# KiCad board austin.kicad_pcb (continued)
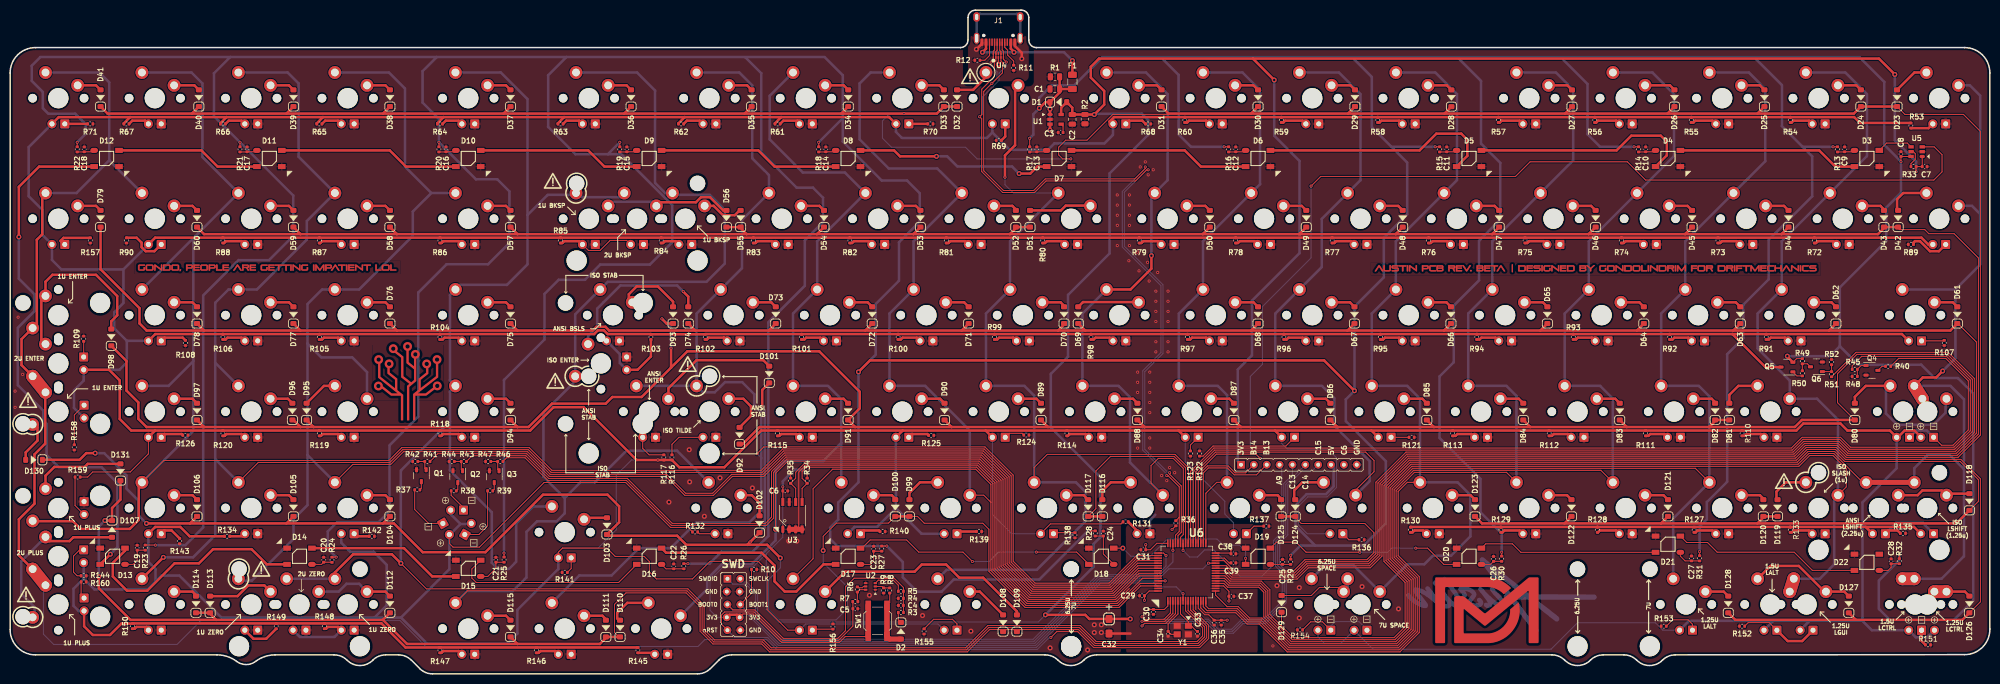
[diagram p0: board, top side]
## Nets (continued)
GND: C1.1 C2.2 C3.1 C4.2 C5.2 C6.1 C7.2 C8.2 C9.1 C10.1 C11.1 C12.1 C13.1 C14.1 C15.1 C16.1 C17.1 C18.1 C19.1 C20.1 C21.1 C22.1 C23.1 C24.1 C25.1 C26.1 C27.1 C28.1 C29.1 C30.2 C31.2 C32.2 C33.2 C34.2 C35.1 C36.1 C37.1 C38.2 C39.1 D3.3 D4.3 D5.3 D6.3 D7.3 D8.3 D9.3 D10.3 D11.3 D12.3 D13.3 D14.3 D15.3 D16.3 D17.3 D18.3 D19.3 D20.3 D21.3 D22.3 J1.A1 J1.B1 J1.S LED7.K LED8.K LED9.K LED10.K LED11.K LED12.K LED13.K LED14.K LED15.K LED16.K LED17.K LED18.K LED19.K LED20.K LED21.K LED24.K LED25.K LED26.K LED27.K LED28.K LED29.K LED30.K LED31.K LED32.K LED33.K LED34.K LED35.K LED36.K LED37.K LED38.K LED39.K LED40.K LED41.K LED45.K LED46.K LED47.K LED48.K LED49.K LED50.K LED51.K LED52.K LED53.K LED54.K LED55.K LED56.K LED57.K LED58.K LED59.K LED60.K LED61.K LED68.K LED69.K LED70.K LED71.K LED72.K LED73.K LED74.K LED75.K LED76.K LED77.K LED78.K LED90.K LED91.K LED92.K LED93.K LED94.K LED95.K LED96.K LED97.K LED108.K LED109.K LED110.K LED111.K LED112.K LED113.K LED114.K LED116.K Q1.2 Q2.2 Q3.2 Q4.2 Q6.2 R1.1 R2.2 R4.2 R9.1 R10.2 R11.1 R12.1 R42.1 R44.1 R47.1 R48.1 R52.1 R68.2 R69.2 R70.2 R71.2 R89.2 R90.2 R107.1 R108.2 R109.2 R121.2 R122.2 R123.2 R124.2 R125.2 R126.2 R135.2 R136.1 R137.2 R138.2 R139.2 R140.2 R141.2 R142.2 R143.1 R144.2 R151.2 R152.2 R153.2 R154.2 R155.2 R156.2 R157.2 R158.2 R160.2 U1.2 U2.1 U2.4 U3.1 U3.2 U3.3 U3.4 U3.7 U4.3 U4.8 U5.2 U6.12 U6.18 U6.31 U6.47 U6.63 X1.3 X1.4 X1.10 X2.10 Y1.2 Y1.4
VBUS: F1.2 J1.A4 J1.B4
BOOT0: C4.1 R3.1 R4.1 R5.2 U6.60 X1.5
C0: SW2.2 SW21.2 SW41.1 SW60.2 SW79.1 SW100.1 SW101.1 SW109.1 SW113.1 U6.21
C1: SW3.1 SW22.1 SW42.1 SW61.2 SW102.2 SW110.1 SW114.2 U6.20
C2: SW4.1 SW23.1 SW43.1 SW62.1 SW103.1 SW111.1 U6.17
C3: SW5.1 SW24.1 SW44.1 SW63.1 SW104.1 U6.16
C4: SW6.1 SW25.1 SW45.1 SW64.1 SW105.1 U6.15
C5: SW7.1 SW26.1 SW46.1 SW65.1 SW106.1 SW112.1 SW115.2 U6.14
C6: SW8.1 SW27.1 SW47.1 SW66.1 SW107.2 U6.37
C7: SW9.1 SW28.1 SW48.1 SW67.1 SW108.1 U6.33
C8: SW10.1 SW29.1 SW49.1 SW68.1 SW98.2 U6.43
C9: SW11.2 SW30.1 SW50.1 SW69.1 SW89.1 SW99.1 U6.40
C10: SW12.1 SW31.1 SW51.1 SW70.1 SW80.2 SW90.1 U6.61
C11: SW13.1 SW32.1 SW52.1 SW71.1 SW81.1 SW91.2 U6.57
C12: SW14.1 SW33.1 SW53.1 SW72.1 SW82.1 SW92.1 U6.50
C13: SW15.1 SW34.1 SW54.1 SW73.1 SW83.1 SW96.1 U6.9
C14: SW16.1 SW35.1 SW40.1 SW55.1 SW74.1 SW84.1 SW93.1 SW97.1 U6.8
C15: SW17.1 SW36.1 SW56.1 SW75.2 SW85.1 SW94.1 U6.53
C16: SW18.1 SW37.1 SW57.1 SW76.1 SW86.1 SW95.1 U6.52
C17: SW19.1 SW38.1 SW58.1 SW77.1 SW87.1 SW119.1 U6.51
C18: SW20.1 SW39.1 SW59.1 SW78.1 SW88.1 SW116.2 SW117.1 SW118.2 U6.11
CAPS_INDICATOR: R45.1 U6.39
D+: J1.A6 J1.B6 R36.1 U4.1 U4.4 U4.7 U4.10 U6.45
D-: J1.A7 J1.B7 U4.2 U4.5 U4.6 U4.9 U6.44
E-PA9: U6.42 X2.4
E-PB13: U6.34 X2.3
E-PB14: U6.35 X2.2
E-PC6: X2.9
E-PC13: U6.2 X2.5
E-PC14: U6.3 X2.6
E-PC15: U6.4 X2.7
INDICATOR1: R41.1 U6.54
INDICATOR2: R43.1 U6.55
INDICATOR3: R46.1 U6.56
LED_PWM: R51.1 U6.27
LED_SIGNAL: LED1.A LED2.A LED3.A LED4.A LED5.A LED6.A LED22.A LED23.A LED42.A LED43.A LED44.A LED62.A LED63.A LED64.A LED65.A LED66.A LED67.A LED79.A LED80.A LED81.A LED82.A LED83.A LED84.A LED85.A LED86.A LED87.A LED88.A LED89.A LED98.A LED99.A LED100.A LED101.A LED102.A LED103.A LED104.A LED105.A LED106.A LED107.A LED115.A LED117.A LEDCAPS1.A LEDNUM1.A LEDSCR1.A Q5.3 R53.1 R54.1 R55.1 R56.1 R57.1 R58.1 R59.1 R60.1 R61.1 R62.1 R63.1 R64.1 R65.1 R66.1 R67.1 R72.2 R73.2 R74.2 R75.2 R76.2 R77.2 R78.2 R79.2 R80.2 R81.2 R82.2 R83.2 R84.1 R85.1 R86.1 R87.1 R88.1 R91.1 R92.1 R93.1 R94.1 R95.1 R96.1 R97.1 R98.1 R99.1 R100.1 R101.1 R102.1 R103.1 R104.1 R105.1 R106.1 R110.1 R111.1 R112.1 R113.1 R114.1 R115.1 R116.1 R117.1 R118.1 R119.1 R120.1 R127.1 R128.1 R129.1 R130.1 R131.1 R132.1 R133.1 R134.1 R145.1 R146.1 R147.1 R148.1 R149.1 R150.1 R159.1
NRST: C5.1 R7.2 U6.7 X1.9
PB2/BOOT1: R10.1 U6.28 X1.6
R0: D23.1 D24.1 D25.1 D26.1 D27.1 D28.1 D29.1 D30.1 D31.1 D32.1 D33.1 D34.1 D35.1 D36.1 D37.1 D38.1 D39.1 D40.1 D41.1 U6.24
R1: D42.1 D43.1 D44.1 D45.1 D46.1 D47.1 D48.1 D49.1 D50.1 D51.1 D52.1 D53.1 D54.1 D55.1 D56.1 D57.1 D58.1 D59.1 D60.1 U6.25
R2: D61.1 D62.1 D63.1 D64.1 D65.1 D66.1 D67.1 D68.1 D69.1 D70.1 D71.1 D72.1 D73.1 D74.1 D75.1 D76.1 D77.1 D78.1 D79.1 U6.26
R3: D80.1 D81.1 D82.1 D83.1 D84.1 D85.1 D86.1 D87.1 D88.1 D89.1 D90.1 D91.1 D92.1 D93.1 D94.1 D95.1 D96.1 D97.1 D98.1 U6.38
R4: D99.1 D100.1 D101.1 D102.1 D103.1 D104.1 D105.1 D106.1 D130.1 U6.62
R5: D107.1 D108.1 D109.1 D110.1 D111.1 D112.1 D113.1 D114.1 D115.1 D131.1 U6.10
R6: D116.1 D117.1 U6.41
R7: D118.1 D119.1 D120.1 D121.1 D122.1 D123.1 U6.22
R8: D124.1 D125.1 U6.29
R9: D126.1 D127.1 D128.1 D129.1 U6.23
RGB_3V3: U5.3 U6.36
RGB_5V: D3.4 U5.4
SCL: R35.2 U3.6 U6.58
SDA: R34.2 U3.5 U6.59
SWCLK: U6.49 X1.2
SWDIO: U6.46 X1.1
XTAL_IN: C34.1 U6.5 Y1.3
XTAL_OUT: C33.1 U6.6 Y1.1
Net-(D2-A): D2.2 R8.2 SW1.2
Net-(D2-K): D2.1 R3.2
Net-(D3-DOUT): D3.2 D4.4
Net-(D3-VDD): C9.2 D3.1 R13.1
Net-(D4-DOUT): D4.2 D5.4
Net-(D4-VDD): C10.2 D4.1 R14.1
Net-(D5-DOUT): D5.2 D6.4
Net-(D5-VDD): C11.2 D5.1 R15.1
Net-(D6-DOUT): D6.2 D7.4
Net-(D6-VDD): C12.2 D6.1 R16.1
Net-(D7-DOUT): D7.2 D8.4
Net-(D7-VDD): C13.2 D7.1 R17.1
Net-(D8-DOUT): D8.2 D9.4
Net-(D8-VDD): C14.2 D8.1 R18.1
Net-(D9-VDD): C15.2 D9.1 R19.1
Net-(D10-DIN): D9.2 D10.4
Net-(D10-DOUT): D10.2 D11.4
Net-(D10-VDD): C16.2 D10.1 R20.1
Net-(D11-DOUT): D11.2 D12.4
Net-(D11-VDD): C17.2 D11.1 R21.1
Net-(D12-DOUT): D12.2 D13.4
Net-(D12-VDD): C18.2 D12.1 R22.1
Net-(D13-DOUT): D13.2 D14.4
Net-(D13-VDD): C19.2 D13.1 R23.1
Net-(D14-DOUT): D14.2 D15.4
Net-(D14-VDD): C20.2 D14.1 R24.1
Net-(D15-DOUT): D15.2 D16.4
Net-(D15-VDD): C21.2 D15.1 R25.1
Net-(D16-DOUT): D16.2 D17.4
Net-(D16-VDD): C22.2 D16.1 R26.1
Net-(D17-DOUT): D17.2 D18.4
Net-(D17-VDD): C23.2 D17.1 R27.1
Net-(D18-DOUT): D18.2 D19.4
Net-(D18-VDD): C24.2 D18.1 R28.1
Net-(D19-DOUT): D19.2 D20.4
Net-(D19-VDD): C25.2 D19.1 R29.1
Net-(D20-DOUT): D20.2 D21.4
Net-(D20-VDD): C26.2 D20.1 R30.1
Net-(D21-DOUT): D21.2 D22.4
Net-(D21-VDD): C27.2 D21.1 R31.1
Net-(D22-VDD): C28.2 D22.1 R32.1
Net-(D23-A): D23.2 SW2.1
Net-(D24-A): D24.2 SW3.2
Net-(D25-A): D25.2 SW4.2
Net-(D26-A): D26.2 SW5.2
Net-(D27-A): D27.2 SW6.2
Net-(D28-A): D28.2 SW7.2
Net-(D29-A): D29.2 SW8.2
Net-(D30-A): D30.2 SW9.2
Net-(D31-A): D31.2 SW10.2
Net-(D32-A): D32.2 SW11.1
Net-(D33-A): D33.2 SW12.2
Net-(D34-A): D34.2 SW13.2
Net-(D35-A): D35.2 SW14.2
Net-(D36-A): D36.2 SW15.2
Net-(D37-A): D37.2 SW16.2
Net-(D38-A): D38.2 SW17.2
Net-(D39-A): D39.2 SW18.2
Net-(D40-A): D40.2 SW19.2
Net-(D41-A): D41.2 SW20.2
Net-(D42-A): D42.2 SW21.1
Net-(D43-A): D43.2 SW22.2
Net-(D44-A): D44.2 SW23.2
Net-(D45-A): D45.2 SW24.2
Net-(D46-A): D46.2 SW25.2
Net-(D47-A): D47.2 SW26.2
Net-(D48-A): D48.2 SW27.2
Net-(D49-A): D49.2 SW28.2
Net-(D50-A): D50.2 SW29.2
Net-(D51-A): D51.2 SW30.2
Net-(D52-A): D52.2 SW31.2
Net-(D53-A): D53.2 SW32.2
Net-(D54-A): D54.2 SW33.2
Net-(D55-A): D55.2 SW34.2
Net-(D56-A): D56.2 SW35.2 SW40.2
Net-(D57-A): D57.2 SW36.2
Net-(D58-A): D58.2 SW37.2
Net-(D59-A): D59.2 SW38.2
Net-(D60-A): D60.2 SW39.2
Net-(D61-A): D61.2 SW41.2
Net-(D62-A): D62.2 SW42.2
Net-(D63-A): D63.2 SW43.2
Net-(D64-A): D64.2 SW44.2
Net-(D65-A): D65.2 SW45.2
Net-(D66-A): D66.2 SW46.2
Net-(D67-A): D67.2 SW47.2
Net-(D68-A): D68.2 SW48.2
Net-(D69-A): D69.2 SW49.2
Net-(D70-A): D70.2 SW50.2
Net-(D71-A): D71.2 SW51.2
Net-(D72-A): D72.2 SW52.2
Net-(D73-A): D73.2 SW53.2
Net-(D74-A): D74.2 SW54.2
Net-(D75-A): D75.2 SW55.2
Net-(D76-A): D76.2 SW56.2
Net-(D77-A): D77.2 SW57.2
Net-(D78-A): D78.2 SW58.2
Net-(D79-A): D79.2 SW59.2
Net-(D80-A): D80.2 SW60.1 SW79.2
Net-(D81-A): D81.2 SW61.1
Net-(D82-A): D82.2 SW62.2
Net-(D83-A): D83.2 SW63.2
Net-(D84-A): D84.2 SW64.2
Net-(D85-A): D85.2 SW65.2
Net-(D86-A): D86.2 SW66.2
Net-(D87-A): D87.2 SW67.2
Net-(D88-A): D88.2 SW68.2
Net-(D89-A): D89.2 SW69.2
Net-(D90-A): D90.2 SW70.2
Net-(D91-A): D91.2 SW71.2
Net-(D92-A): D92.2 SW72.2
Net-(D93-A): D93.2 SW73.2
Net-(D94-A): D94.2 SW74.2
Net-(D95-A): D95.2 SW75.1
Net-(D96-A): D96.2 SW76.2
Net-(D97-A): D97.2 SW77.2
Net-(D98-A): D98.2 SW78.2 SW117.2
Net-(D99-A): D99.2 SW80.1
Net-(D100-A): D100.2 SW81.2
Net-(D101-A): D101.2 SW82.2
Net-(D102-A): D102.2 SW83.2
Net-(D103-A): D103.2 SW84.2
Net-(D104-A): D104.2 SW85.2
Net-(D105-A): D105.2 SW86.2
Net-(D106-A): D106.2 SW87.2
Net-(D107-A): D107.2 SW88.2 SW118.1
Net-(D108-A): D108.2 SW89.2
Net-(D109-A): D109.2 SW90.2
Net-(D110-A): D110.2 SW91.1
Net-(D111-A): D111.2 SW92.2
Net-(D112-A): D112.2 SW93.2 SW97.2
Net-(D113-A): D113.2 SW94.2
Net-(D114-A): D114.2 SW95.2
Net-(D115-A): D115.2 SW96.2
Net-(D116-A): D116.2 SW98.1
Net-(D117-A): D117.2 SW99.2
Net-(D118-A): D118.2 SW100.2 SW101.2
Net-(D119-A): D119.2 SW102.1
Net-(D120-A): D120.2 SW103.2
Net-(D121-A): D121.2 SW104.2
Net-(D122-A): D122.2 SW105.2
Net-(D123-A): D123.2 SW106.2
Net-(D124-A): D124.2 SW107.1
Net-(D125-A): D125.2 SW108.2
Net-(D126-A): D126.2 SW109.2 SW113.2
Net-(D127-A): D127.2 SW110.2 SW114.1
Net-(D128-A): D128.2 SW111.2
Net-(D129-A): D129.2 SW112.2 SW115.1
Net-(D130-A): D130.2 SW116.1
Net-(D131-A): D131.2 SW119.2
Net-(J1-CC1): J1.A5 R11.2
Net-(J1-CC2): J1.B5 R12.2
Net-(LED1-PadK): LED1.K LED2.K R40.2
Net-(LED3-PadK): LED3.K R68.1
Net-(LED4-PadK): LED4.K R69.1
Net-(LED5-PadK): LED5.K R70.1
Net-(LED6-PadK): LED6.K R71.1
Net-(LED7-PadA): LED7.A R53.2
Net-(LED8-PadA): LED8.A R54.2
Net-(LED9-PadA): LED9.A R55.2
Net-(LED10-PadA): LED10.A R56.2
Net-(LED11-PadA): LED11.A R57.2
Net-(LED12-PadA): LED12.A R58.2
Net-(LED13-PadA): LED13.A R59.2
Net-(LED14-PadA): LED14.A R60.2
Net-(LED15-PadA): LED15.A R61.2
Net-(LED16-PadA): LED16.A R62.2
Net-(LED17-PadA): LED17.A R63.2
Net-(LED18-PadA): LED18.A R64.2
Net-(LED19-PadA): LED19.A R65.2
Net-(LED20-PadA): LED20.A R66.2
Net-(LED21-PadA): LED21.A R67.2
Net-(LED22-PadK): LED22.K R89.1
Net-(LED23-PadK): LED23.K R90.1
Net-(LED24-PadA): LED24.A R72.1
Net-(LED25-PadA): LED25.A R73.1
Net-(LED26-PadA): LED26.A R74.1
Net-(LED27-PadA): LED27.A R75.1
Net-(LED28-PadA): LED28.A R76.1
Net-(LED29-PadA): LED29.A R77.1
Net-(LED30-PadA): LED30.A R78.1
Net-(LED31-PadA): LED31.A R79.1
Net-(LED32-PadA): LED32.A R80.1
Net-(LED33-PadA): LED33.A R81.1
Net-(LED34-PadA): LED34.A R82.1
Net-(LED35-PadA): LED35.A R83.1
Net-(LED36-PadA): LED36.A R84.2
Net-(LED37-PadA): LED37.A LED38.A R85.2
Net-(LED39-PadA): LED39.A R86.2
Net-(LED40-PadA): LED40.A R87.2
Net-(LED41-PadA): LED41.A R88.2
Net-(LED42-PadK): LED42.K R107.2
Net-(LED43-PadK): LED43.K R108.1
Net-(LED44-PadK): LED44.K R109.1
Net-(LED45-PadA): LED45.A R91.2
Net-(LED46-PadA): LED46.A R92.2
Net-(LED47-PadA): LED47.A R93.2
Net-(LED48-PadA): LED48.A R94.2
Net-(LED49-PadA): LED49.A R95.2
Net-(LED50-PadA): LED50.A R96.2
Net-(LED51-PadA): LED51.A R97.2
Net-(LED52-PadA): LED52.A R98.2
Net-(LED53-PadA): LED53.A R99.2
Net-(LED54-PadA): LED54.A R100.2
Net-(LED55-PadA): LED55.A R101.2
Net-(LED56-PadA): LED56.A R102.2
Net-(LED57-PadA): LED57.A LED58.A R103.2
Net-(LED59-PadA): LED59.A R104.2
Net-(LED60-PadA): LED60.A R105.2
Net-(LED61-PadA): LED61.A R106.2
Net-(LED62-PadK): LED62.K R121.1
Net-(LED63-PadK): LED63.K R122.1
Net-(LED64-PadK): LED64.K R123.1
Net-(LED65-PadK): LED65.K R124.1
Net-(LED66-PadK): LED66.K R125.1
Net-(LED67-PadK): LED67.K R126.1
Net-(LED68-PadA): LED68.A R110.2
Net-(LED69-PadA): LED69.A R111.2
Net-(LED70-PadA): LED70.A R112.2
Net-(LED71-PadA): LED71.A R113.2
Net-(LED72-PadA): LED72.A R114.2
Net-(LED73-PadA): LED73.A R115.2
Net-(LED74-PadA): LED74.A R116.2
Net-(LED75-PadA): LED75.A R117.2
Net-(LED76-PadA): LED76.A R118.2
Net-(LED77-PadA): LED77.A R119.2
Net-(LED78-PadA): LED78.A R120.2
Net-(LED79-PadK): LED79.K LED80.K R135.1
Net-(LED81-PadK): LED81.K R136.2
Net-(LED82-PadK): LED82.K R137.1
Net-(LED83-PadK): LED83.K R138.1
Net-(LED84-PadK): LED84.K R139.1
Net-(LED85-PadK): LED85.K R140.1
Net-(LED86-PadK): LED86.K R141.1
Net-(LED87-PadK): LED87.K R142.1
Net-(LED88-PadK): LED88.K R143.2
Net-(LED89-PadK): LED89.K R144.1
Net-(LED90-PadA): LED90.A R127.2
Net-(LED91-PadA): LED91.A R128.2
Net-(LED92-PadA): LED92.A R129.2
Net-(LED93-PadA): LED93.A R130.2
Net-(LED94-PadA): LED94.A R131.2
Net-(LED95-PadA): LED95.A R132.2
Net-(LED96-PadA): LED96.A R133.2
Net-(LED97-PadA): LED97.A R134.2
Net-(LED98-PadK): LED98.K LED99.K R151.1
Net-(LED100-PadK): LED100.K LED101.K R152.1
Net-(LED102-PadK): LED102.K R153.1
Net-(LED103-PadK): LED103.K LED104.K R154.1
Net-(LED105-PadK): LED105.K R155.1
Net-(LED106-PadK): LED106.K R156.1
Net-(LED107-PadK): LED107.K R157.1
Net-(LED108-PadA): LED108.A R145.2
Net-(LED109-PadA): LED109.A R146.2
Net-(LED110-PadA): LED110.A R147.2
Net-(LED111-PadA): LED111.A LED112.A R148.2
Net-(LED113-PadA): LED113.A R149.2
Net-(LED114-PadA): LED114.A R150.2
Net-(LED115-PadK): LED115.K R158.1
Net-(LED116-PadA): LED116.A R159.2
Net-(LED117-PadK): LED117.K R160.1
Net-(LEDCAPS1-PadK): LEDCAPS1.K R38.2
Net-(LEDNUM1-PadK): LEDNUM1.K R37.1
Net-(LEDSCR1-PadK): LEDSCR1.K R39.2
Net-(Q1-D): Q1.3 R37.2
Net-(Q1-G): Q1.1 R41.2 R42.2
Net-(Q2-D): Q2.3 R38.1
Net-(Q2-G): Q2.1 R43.2 R44.2
Net-(Q3-D): Q3.3 R39.1
Net-(Q3-G): Q3.1 R46.2 R47.2
Net-(Q4-D): Q4.3 R40.1
Net-(Q4-G): Q4.1 R45.2 R48.2
Net-(Q5-G): Q5.1 R50.2
Net-(Q6-D): Q6.3 R49.1 R50.1
Net-(Q6-G): Q6.1 R51.2 R52.2
Net-(U1-BP/FB): C3.2 U1.4
Net-(U2A-D): R6.2 R7.1 U2.6
Net-(U2A-G): R8.1 R9.2 U2.2
Net-(U2B-D): R5.1 U2.3
Net-(U2B-G): R6.1 U2.5
Net-(U5-OE): R33.1 U5.5
Net-(U6-VCAP1): C39.2 U6.30

Pads without a net: D22 2; GR2 1; GR4 1; GR6 1; J1 A8 B8

## Via types
v1: diameter 1, hole 0.5, Top to Bottom, 55 vias
v2: diameter 0.6, hole 0.3, Top to Bottom, 120 vias
v3: diameter 0.8, hole 0.4, Top to Bottom, 1 via

## Routing (per net, layer and track width the routed paths; a pad name or vN(x,y) marks a point on that pad's centre or on a via; arc(x,y) is an arc through that point)
3V3: length 628.1
  Top w0.2: U6.32 240.97,23.87 C38.1 v2(241.12,24.62) ; U6.64 224.96,16.37 C29.2 v2(224.03,14.54) ; U6.13 234.65,12.98 235.95,11.68 236.72,11.68 C36.2 ; U5.1 C7.1 R33.2 v2(376.43,99.21) ; X1.8 144.74,11.83 146.75,11.83 152.36,6.22 163.79,6.22 164.94,7.37 SW1.1 ; v2(240.36,10.6) C35.2 C36.2 ; 240.51,15.32 C37.2 240.72,16.3 239.65,17.37 U6.19 ; v2(152.6,36.96) C6.2 U3.8 ; 240.72,14.22 240.72,15.14 ; 237.68,10.78 237.8,10.67 C36.2 ; R36.2 230.2,29.24 v2(229.48,28.52) ; R35.1 v2(154.14,39.58) ; v2(224.9,12.72) C30.1 227.95,12.72 228.65,13.42 U6.1 ; 228.65,25.8 226.47,25.8 225.2,24.52 C31.1 v2(224.28,25.52) ; R34.1 v2(157.41,39.56)
  Top w0.5: X1.7 142.05,11.68 143.57,11.68 X1.8 ; 245.44,121.54 369.1,121.54 v1(372.23,118.41) ; 245.44,121.54 215.05,121.54 213.43,119.92 213.43,117.79 216.08,115.14 216.08,112.45 v1(214.12,110.5) R2.1 C2.1 209.77,111.85 208.67,112.95 207.57,111.85 U1.5 ; 245.44,121.54 v1(249.66,117.32) ; v1(221.23,10.85) C32.1 213.14,10.85 212.34,11.65 v1(204.47,11.65)
  Top w1.1: SW1.1 SW1.1
  Bottom w0.2: 149.34,23.74 152.6,27.01 v2(152.6,36.96) ; 149.34,23.74 146.73,21.14 140.83,21.14 138.22,18.53 138.22,12.57 139.62,11.17 X1.7 ; 149.34,23.74 149.34,12.67 151.75,10.26 203.07,10.26 v1(204.47,11.65)
  Bottom w0.5: v2(376.43,99.21) 376.43,101.21 372.23,105.41 v1(372.23,118.41) ; v2(157.41,39.56) 156.61,40.36 154.92,40.36 v2(154.14,39.58) 152.6,38.04 v2(152.6,36.96) ; v1(204.47,11.65) 213.99,21.18 213.99,25.68 215.34,27.02 215.34,38.85 205.54,48.65 205.54,59.25 208.94,62.65 208.94,74.85 217.14,83.05 217.14,98.85 224.74,106.45 224.74,109.45 223.54,110.65 214.28,110.65 v1(214.12,110.5) ; v1(249.66,117.32) 249.66,106.32 254.66,101.32 254.66,83.12 245.26,73.72 245.26,62.92 242.46,60.12 242.46,41.96 X2.1
  vias: v2(240.72,14.41)
5V: length 1830.4
  Top w0.2: R29.2 v2(252.91,23.44) ; R18.2 v2(159.7,105.02) ; R27.2 v2(173.15,25.26) ; R15.2 v2(281.44,104.13) ; R20.2 v2(84.69,105.02) ; U1.1 205.72,110.5 ; R19.2 v2(120.41,105.02) ; v2(373.44,101.21) C8.1 U5.6 ; R31.2 v2(333.67,24.14) ; R21.2 v2(45.4,105.02) ; R26.2 v2(133.86,21.78) ; R28.2 v3(213.11,28.26) ; 205.72,108.6 U1.3 ; R16.2 v2(239.77,104.13) ; Q5.2 352.82,62.28 R49.2 ; R22.2 v2(13.25,105.02) ; v2(28.69,25.44) 28.67,25.46 R23.2 ; R14.2 v2(320.73,104.13) ; v2(97.54,23.85) 97.55,23.84 R25.2 ; R30.2 v2(294.58,24.04) ; 63.6,23.05 v2(64.4,23.05) ; R32.2 v2(373.11,23.58) ; R13.2 v2(360.02,104.13) ; R17.2 v2(201.37,105.8)
  Top w0.5: v1(167.55,59.66) 169.82,61.93 259.51,61.93 v1(265.51,55.93) ; 205.37,112.95 U1.1 ; R1.2 207.27,115.55 ; 207.27,115.55 F1.1 ; 207.27,115.55 207.27,114.85 D1.1 204.46,112.95 v1(203.26,111.75) ; v1(351,62.77) 351,62.66 Q5.2 ; U1.3 v1(205.37,107.4)
  Bottom w0.5: 227.27,121.82 230.77,118.32 230.77,106.56 233.21,104.13 v2(239.77,104.13) ; 227.27,121.82 265.03,121.82 ; 227.27,121.82 215.71,121.82 210.14,116.25 205.71,116.25 203.26,113.8 v1(203.26,111.75) 202.09,110.57 202.09,106.52 v2(201.37,105.8) ; 361.37,64.73 359.41,62.77 v1(351,62.77) ; 361.37,64.73 361.37,76.34 370.54,85.51 370.54,92.11 373.44,95.01 v2(373.44,101.21) 370.15,104.5 370.15,116.93 365.25,121.82 344.43,121.82 ; 361.37,64.73 365.02,61.07 377.44,61.07 380.08,58.44 384.68,58.44 387.71,55.4 387.71,14.47 383.88,10.64 371.28,10.64 369.08,12.84 369.08,18.44 373.11,22.47 v2(373.11,23.58) ; 145.15,121.86 160.86,121.86 164.46,118.26 164.46,109.78 ; 145.15,121.86 148.35,118.66 148.35,103.06 155.35,96.06 158.55,96.06 160.55,94.06 160.55,89.26 156.95,85.66 156.95,76.66 149.75,69.46 149.75,27.24 146.64,24.14 140.49,24.14 138.13,21.78 v2(133.86,21.78) ; 145.15,121.86 109.86,121.86 ; 265.03,121.82 268.93,117.92 268.93,108 272.81,104.13 ; 265.03,121.82 285.81,121.82 ; 257.75,25.35 253.86,29.24 253.86,33.32 256.05,35.51 259.87,35.51 261.39,37.03 261.39,40.81 X2.8 ; 257.75,25.35 254.82,25.35 v2(252.91,23.44) ; 257.75,25.35 267.31,25.35 271.71,29.75 271.71,42.01 263.8,49.92 263.8,54.22 v1(265.51,55.93) 265.51,72.55 271.31,78.35 271.31,86.15 275.91,90.75 275.91,101.03 272.81,104.13 ; v2(294.58,24.04) 294.58,27.74 290.4,31.92 290.4,38.52 282.31,46.61 282.31,58.75 285.11,61.55 285.11,72.75 290.11,77.75 290.11,85.55 294.31,89.75 294.31,100.95 290.51,104.75 290.51,117.12 285.81,121.82 ; 354.01,104.13 v2(360.02,104.13) ; 354.01,104.13 349.93,108.2 349.93,116.32 344.43,121.82 ; 354.01,104.13 355.91,102.23 355.91,94.35 347.31,85.75 347.31,77.95 342.31,72.95 342.31,66.35 339.11,63.15 339.11,37.95 335.11,33.95 335.11,30.55 333.67,29.11 v2(333.67,24.14) ; 109.86,121.86 84.26,121.86 ; 109.86,121.86 106.26,118.26 106.26,108.06 111.66,102.66 118.04,102.66 ; 285.81,121.82 306.23,121.82 ; 306.23,121.82 344.43,121.82 ; 306.23,121.82 311.53,116.52 311.53,106.6 314.01,104.13 v2(320.73,104.13) ; 272.81,104.13 v2(281.44,104.13) ; 84.26,121.86 43.46,121.86 ; 84.26,121.86 81.46,119.06 81.46,112.86 84.69,109.62 v2(84.69,105.02) 91.99,97.71 96.21,97.71 98.6,95.32 98.6,85.12 94.4,80.92 86.2,80.92 80.6,75.32 80.6,50.8 74.93,45.14 74.93,32.14 72.73,29.94 64.53,29.94 62.73,28.14 62.73,24.72 v2(64.4,23.05) ; 43.46,121.86 5.97,121.86 4.26,120.15 4.26,117.15 6.46,114.95 6.46,111.75 7.55,110.66 12.86,110.66 14.92,108.59 14.92,106.69 v2(13.25,105.02) ; 43.46,121.86 40.26,118.66 40.26,110.16 v2(45.4,105.02) 55.92,94.49 55.92,86.52 51.13,81.74 45.11,81.74 38.12,74.75 38.12,28.92 34.63,25.44 v2(28.69,25.44) ; 118.04,102.66 v2(120.41,105.02) ; 118.04,102.66 120.71,102.66 130.76,92.61 130.76,85.27 126.34,80.85 116.54,80.85 113.54,77.85 108.34,77.85 105.54,75.05 105.54,66.05 97.54,58.05 v2(97.54,23.85) ; 164.46,109.78 164.46,105.15 172.15,97.46 177.15,97.46 179.65,94.96 179.65,89.36 175.55,85.26 175.55,77.66 170.95,73.06 170.95,63.06 v1(167.55,59.66) 167.55,37.86 163.55,33.86 163.55,30.46 161.95,28.86 161.95,26.66 163.35,25.26 v2(173.15,25.26) 176.31,22.09 176.31,19.08 179.15,16.24 183.95,16.24 186.35,18.64 203.25,18.64 212.87,28.26 v3(213.11,28.26) ; 164.46,109.78 v2(159.7,105.02) ; v1(205.37,107.4) v1(205.37,111.57)
GND: length 136.9
  Top w0.2: U4.3 v1(195.18,120.38) ; U3.3 155.74,29.16 155.74,39.87 157.11,41.24 191.03,41.24 194.5,37.77 194.5,20.77 200.95,14.32 218.52,14.32 221.06,16.86 ; U6.12 234.15,12.73
  Top w0.5: J1.A1 198.43,124.05 199.8,122.69 v1(199.8,121.52) ; v1(190.83,123.39) 191.93,124.49 J1.B1 ; C32.2 221.26,7.97
  Top w1: U3.2 U3.4
  Bottom w0.5: J1.S J1.S 191.49,130.37 198.88,130.37 J1.S J1.S ; LED94.K 225.11,30.36 226.17,31.42
  vias: v1(130.11,33.92) v1(134.12,44.29) v1(134.2,37.92) v1(137.11,31.12) v1(140.2,38.72) v1(146.6,36.72) v1(153.78,26.24) v1(155.38,26.24) v1(169.71,15.52) v1(180.2,11.52) v1(189.75,8.44) v1(205.4,5.12) v1(212.8,4.72) v1(214.12,9.69) v1(214.12,8.17) v1(215.52,9.69) v1(215.52,8.17) v1(250.2,17.44) v1(254.61,17.04) v1(254.61,11.04) v1(267.01,17.24) v1(274.21,12.84) v2(0.97,55.86) v2(0.97,52.66) v2(1.57,70.46) v2(2.48,59.16) v2(218.66,94.61) v2(218.66,92.61) v2(218.66,90.61) v2(218.66,88.61) v2(218.66,84.61) v2(220.95,81.61) v2(221.06,94.61) v2(221.06,92.61) v2(221.06,90.61) v2(221.06,88.61) v2(221.06,84.61) v2(222.65,83.31) v2(222.68,59.61) v2(222.68,57.61) v2(222.68,55.61) v2(222.68,51.61) v2(222.68,46.61) v2(222.68,44.61) v2(222.95,79.61) v2(223.2,100.14) v2(224.2,101.14) v2(224.65,81.31) v2(224.77,98.58) v2(224.95,77.61) v2(225.08,59.61) v2(225.08,57.61) v2(225.08,55.61) v2(225.08,53.61) v2(225.08,51.61) v2(225.08,46.61) v2(225.08,44.61) v2(225.77,99.58) v2(226.28,75.61) v2(226.28,73.61) v2(226.28,71.61) v2(226.28,69.61) v2(226.28,65.61) v2(226.28,63.61) v2(226.65,79.31) v2(227.44,39.17) v2(228.44,38.17) v2(228.68,75.61) v2(228.68,73.61) v2(228.68,71.61) v2(228.68,69.61) v2(228.68,65.61) v2(228.68,63.61) v2(229,40.74) v2(230,39.74) v2(249.4,5.52)
VBUS: length 25.7
  Top w0.5: v1(192.03,122.79) 192.73,123.49 J1.B4 ; 198.26,122.88 197.63,123.51 J1.A4 ; v1(209.8,121.15) F1.2
  Bottom w0.5: v1(209.8,121.15) 208.16,122.79 v1(198.26,122.79) v1(192.03,122.79)
BOOT0: length 151
  Top w0.2: R3.1 176.43,13.49 C4.1 176.4,14.89 R4.1 R5.2 ; X1.5 142.75,12.63 147.08,12.63 152.69,7.02 163.46,7.02 164.97,8.54 164.97,17.19 166.69,18.9 174.59,18.9 176.43,17.05 176.43,15.07 ; U6.60 v2(228.12,18.37)
  Bottom w0.2: v2(228.12,18.37) 215.27,18.37 202.53,5.64 151.72,5.64 144.7,12.65 142.73,12.65 X1.5
C0: length 352.6
  Top w0.2: SW100.1 365.87,37.84 360.18,43.53 355.23,43.53 353.11,41.41 276.68,41.41 272.14,36.86 272.14,22.56 276.3,18.4 276.3,8.99 273.67,6.35 253.05,6.35 248,11.4 248,16.29 246.77,17.52 240.63,17.52 239.78,18.37 U6.21
  Top w0.5: v1(381.68,59.84) 380.4,58.56 377.74,58.56 SW79.1 ; SW60.2 378.07,54.35
  Top w1: SW100.1 SW101.1
  Top w2.54: SW60.2 SW79.1 ; SW113.1 SW109.1
  Bottom w0.5: v1(381.68,59.84) 384.18,62.34 384.18,75.94 ; SW79.1 383.22,56.89 385.88,54.24 385.88,40.44 ; SW113.1 381.43,18.79 385.88,23.24 385.88,40.44 ; 389.08,90.84 389.08,114.24 387.05,116.26 SW2.2 ; 389.08,90.84 389.08,80.84 384.18,75.94 ; 389.08,90.84 387.46,92.45 SW21.2 ; SW101.1 376.08,40.63 378.68,43.24 383.08,43.24 385.88,40.44 ; 384.18,75.94 SW41.1
  Bottom w2.54: SW113.1 SW109.1 ; SW60.2 SW79.1
C1: length 317.2
  Top w0.2: SW102.2 362.64,36.94 362.64,40.51 360.01,43.13 355.4,43.13 353.28,41.01 276.85,41.01 272.54,36.7 272.54,22.73 276.7,18.56 276.7,8.83 273.83,5.95 252.88,5.95 247.6,11.24 247.6,16.12 246.6,17.12 240.46,17.12 239.71,17.87 U6.20
  Top w0.5: 351.42,54.4 SW61.2
  Top w2.54: SW110.1 SW114.2
  Bottom w0.5: SW110.1 357.42,18.79 360.24,21.61 360.24,34.54 SW102.2 361,50.22 356.86,54.35 SW61.2 351.47,57.94 345.12,64.29 345.12,71.18 SW42.1 349.88,85.47 SW22.1 366.72,102.3 366.72,114.53 362.45,118.8 SW3.1
  Bottom w2.54: SW110.1 SW114.2
C2: length 269.3
  Top w0.2: 238.07,16.34 U6.17 238.07,15.56 240.36,13.28 242.56,13.28 244.8,11.04 247.24,11.04 252.72,5.55 274,5.55 277.1,8.66 277.1,18.73 272.94,22.89 272.94,36.53 277.02,40.61 332.83,40.61 SW103.1
  Bottom w0.5: SW4.1 343.4,118.8 346.64,115.56 346.64,101.27 SW23.1 330.83,85.47 330.83,75.94 326.07,71.18 SW62.1 333.52,56.89 335.6,54.82 SW103.1 328.45,30.7 SW111.1
C3: length 230.1
  Top w0.2: U6.16 236.15,13.44 236.71,12.88 242.39,12.88 244.63,10.64 247.07,10.64 252.55,5.15 274.16,5.15 277.5,8.49 277.5,18.89 273.34,23.06 273.34,36.37 277.18,40.21 314.18,40.21 SW104.1
  Bottom w0.5: SW5.1 324.35,118.8 328.62,114.53 328.62,102.3 SW24.1 311.78,85.47 SW44.1 307.02,71.18 SW63.1 314.03,56.89 316.55,54.37 SW104.1
C4: length 211.2
  Top w0.2: SW105.1 295.53,39.81 277.35,39.81 273.74,36.2 273.74,23.22 277.9,19.06 277.9,8.33 274.33,4.75 252.39,4.75 246.9,10.24 244.47,10.24 242.23,12.48 236.42,12.48 235.65,13.25 U6.15
  Bottom w0.5: SW6.1 305.3,118.8 308.69,115.41 308.69,101.42 SW25.1 292.73,85.47 SW45.1 287.97,71.18 SW64.1 295.52,56.89 297.5,54.92 SW105.1
C5: length 248.2
  Top w0.2: U6.14 235.15,13.04 236.11,12.08 242.06,12.08 244.3,9.84 246.74,9.84 252.22,4.35 274.49,4.35 278.3,8.16 278.3,19.22 274.14,23.39 274.14,36.04 275.94,37.84 SW106.1
  Bottom w0.5: SW112.1 259.66,21.44 265.32,21.44 SW115.2 275.91,21.65 279.31,21.65 281.01,23.35 284.59,23.35 288.4,27.17 288.4,35.32 285.88,37.84 SW106.1 278.45,54.37 275.92,56.89 SW65.1 268.92,71.18 SW46.1 273.68,85.47 SW26.1 285.75,97.53 285.75,114.53 281.48,118.8 SW7.1
C6: length 174.3
  Top w0.2: 234.15,25.8 234.15,39.89 238.07,43.81 267.71,43.81 269.37,42.15 269.37,39.95 265.75,36.32 SW107.2
  Bottom w0.5: SW107.2 268.5,38.05 268.5,42.02 261.53,49 261.53,54.45 259.09,56.89 SW66.1 249.87,71.18 SW47.1 259.05,80.35 259.05,89.88 SW27.1 266.7,97.53 266.7,114.53 262.43,118.8 SW8.1
C7: length 120.3
  Top w0.2: SW108.1 238.31,37.84 236.15,35.68 236.15,25.8